# KiCad board JL-rev1.kicad_pcb (continued)
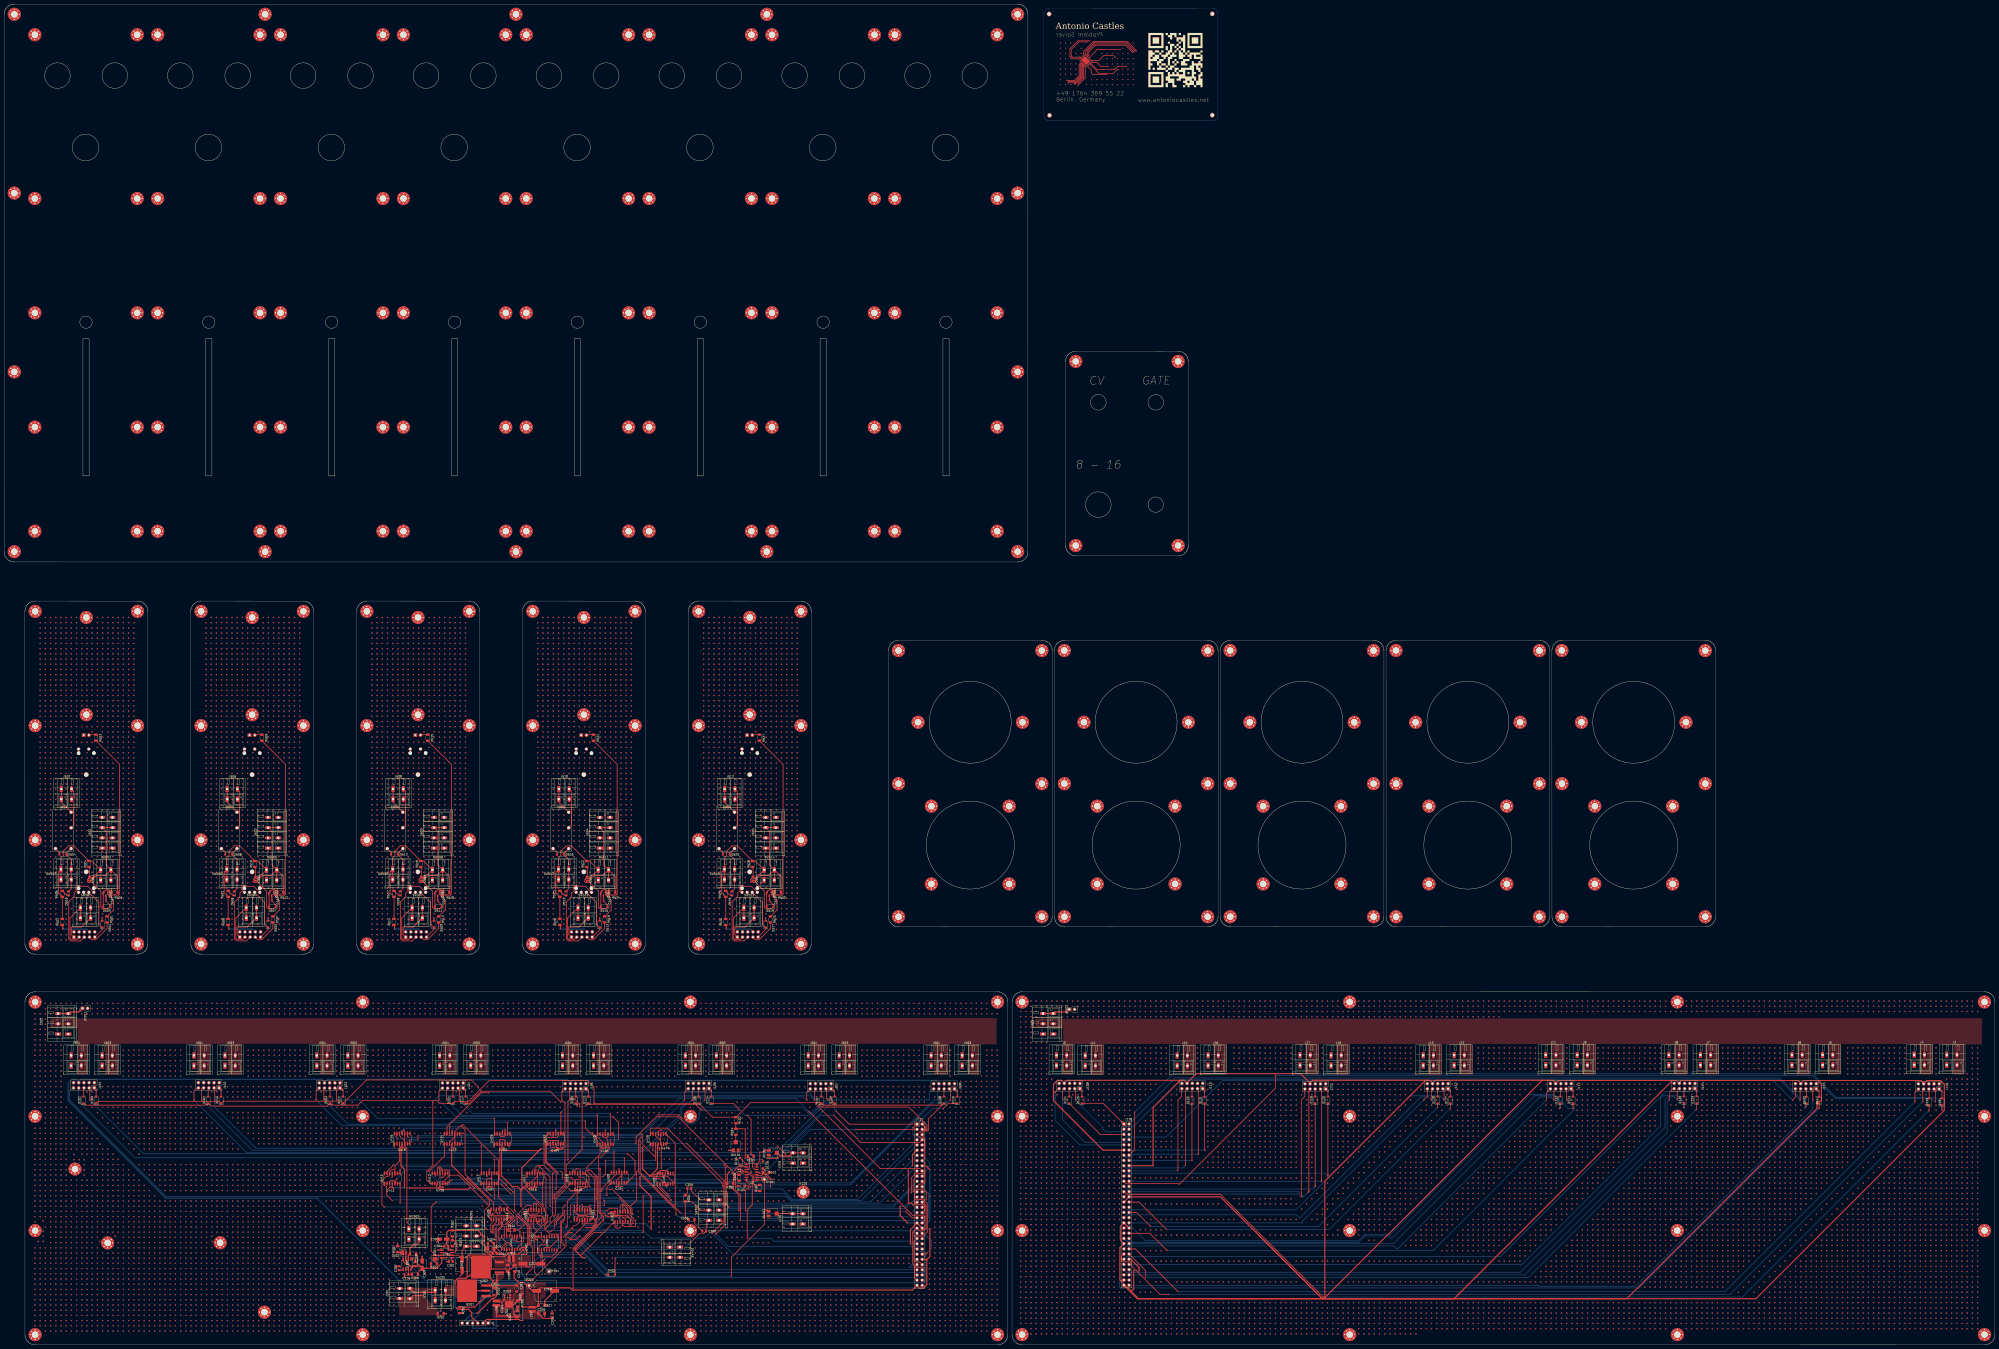
[diagram p0: board, top side]
## Nets (continued)
GND: C1.1 C201.2 C202.2 C204.2 C205.2 C206.2 C207.2 C208.2 C209.2 C210.2 C211.2 C301.1 C302.2 C303.2 C304.1 C307.1 C308.2 C309.1 C310.2 C401.1 C402.1 C403.1 C404.1 C405.2 C406.1 C407.1 C408.2 C409.1 C410.1 C411.2 C412.1 C413.1 C414.2 C415.1 C416.1 C417.2 C418.1 C419.1 D203.2 J1.1 J101.2 J101.4 J101.6 J101.10 J102.2 J102.4 J102.6 J102.10 J103.2 J103.4 J103.6 J103.10 J104.2 J104.4 J104.6 J104.10 J105.2 J105.4 J105.6 J105.10 J106.2 J106.4 J106.6 J106.10 J107.2 J107.4 J107.6 J107.10 J108.2 J108.4 J108.6 J108.10 J117.6 J117.10 J117.15 J117.19 J117.22 J117.26 J117.34 J117.35 J117.38 J117.43 J117.46 J117.55 J117.58 J117.59 J117.62 J119.1 J120.1 JP201.2 R101.1 R106.1 R107.1 R201.1 R202.2 R204.1 R205.1 R301.1 R307.1 RV101.3 SW302.1 U2.4 U201.11 U201.12 U201.DAP U202.2 U301.1 U302.1 U401.7 U402.7 U403.7 U404.8 U404.13 U405.7 U406.8 U406.13 U407.7 U408.11 U409.11 U410.11 U411.11 U412.11 U413.11 U414.11 U415.11 U416.11 U417.11 U418.11 U419.11
*CV_8: J117.9 U414.1 U414.2
*CV_9: J117.20 U414.13 U414.14
*CV_10: J117.29 U415.8 U415.9
*CV_11: J117.40 U416.6 U416.7
*CV_12: J117.49 U417.1 U417.2
*CV_13: J117.60 U417.13 U417.14
*CV_14: J117.7 U418.8 U418.9
*CV_15: J117.50 U419.6 U419.7
*GATE_8: J117.4 U414.6 U414.7
*GATE_9: J117.13 U415.1 U415.2
*GATE_10: J117.24 U415.13 U415.14
*GATE_11: J117.33 U416.8 U416.9
*GATE_12: J117.44 U417.6 U417.7
*GATE_13: J117.53 U418.1 U418.2
*GATE_14: J117.64 U418.13 U418.14
*GATE_15: J117.23 U419.8 U419.9
*RELAYS_8: J117.8 U414.8 U414.9
*RELAYS_9: J117.17 U415.6 U415.7
*RELAYS_10: J117.28 U416.1 U416.2
*RELAYS_11: J117.37 U416.13 U416.14
*RELAYS_12: J117.48 U417.8 U417.9
*RELAYS_13: J117.57 U418.6 U418.7
*RELAYS_14: J117.3 U419.1 U419.2
*RELAYS_15: J117.51 U419.13 U419.14
/CascadeCounters-CommonOutputs/EIGHT: U403.2 U404.9
/CascadeCounters-CommonOutputs/FIVE: U403.5 U404.1 U407.13
/CascadeCounters-CommonOutputs/FOUR: U402.2 U404.10 U407.10
/CascadeCounters-CommonOutputs/NINE: U404.11 U405.5
/CascadeCounters-CommonOutputs/ONE: U402.5 U404.2 U405.13
/CascadeCounters-CommonOutputs/RESET_COUNTERS: D401.1 R401.1 U404.15 U406.15
/CascadeCounters-CommonOutputs/SEVEN: U403.13 U404.6
/CascadeCounters-CommonOutputs/SIX: U403.10 U404.5 U405.2
/CascadeCounters-CommonOutputs/TENS: U405.1 U405.9 U405.12 U406.2 U407.1 U407.4 U407.9 U407.12
/CascadeCounters-CommonOutputs/THREE: U402.13 U404.7 U407.5
/CascadeCounters-CommonOutputs/TWO: U402.10 U404.4 U407.2
/CascadeCounters-CommonOutputs/ZERO: U401.2 U404.3 U405.10 U406.14
/CascadeCounters-CommonOutputs/ZEROES: U401.1 U402.1 U402.4 U402.9 U402.12 U403.1 U403.4 U403.9 U403.12 U405.4 U406.3
/CV_OP-AMP_NON-INV: R102.2 R104.2 U2.5
/CV_OP-AMP_OUT: RV102.3 U2.6 U2.7
/module-master/A_to_ALQ305_0: C503.2 C506.2 C509.2 C512.2 C515.2 D504.1 D508.1 D512.1 D516.1 D520.1 K501.1 K502.1 K503.1 K504.1 K505.1 SW503.2 SW506.2 SW509.2 SW512.2 SW515.2
/module-master/E_to_R_0: D503.2 D507.2 D511.2 D515.2 D519.2 Q501.2 Q502.2 Q503.2 Q504.2 Q505.2 R503.2 R509.2 R515.2 R521.2 R527.2
/module-master/R_to_B_0: Q501.1 Q502.1 Q503.1 Q504.1 Q505.1 R501.2 R507.2 R513.2 R519.2 R525.2
/module-master/R_to_C_0: C501.1 C501.2 C504.1 C504.2 C507.1 C507.2 C510.1 C510.2 C513.1 C513.2 D503.1 D507.1 D511.1 D515.1 D519.1 Q501.3 Q502.3 Q503.3 Q504.3 Q505.3 R502.2 R504.2 R505.1 R508.2 R510.2 R511.1 R514.2 R516.2 R517.1 R520.2 R522.2 R523.1 R526.2 R528.2 R529.1 SW502.1 SW503.1 SW505.1 SW506.1 SW508.1 SW509.1 SW511.1 SW512.1 SW514.1 SW515.1
/module-master/R_to_KLED_0: D502.2 D506.2 D510.2 D514.2 D518.2 R503.1 R509.1 R515.1 R521.1 R527.1
/module-master/SHUNT_1_0: C502.1 C505.1 C508.1 C511.1 C514.1 R504.1 R510.1 R516.1 R522.1 R528.1
/module-master/SHUNT_2_0: C503.1 C506.1 C509.1 C512.1 C515.1 R505.2 R511.2 R517.2 R523.2 R529.2
/module-master/SW_to_AQ-A_IN_0: C502.2 C505.2 C508.2 C511.2 C514.2 R506.2 R512.2 R518.2 R524.2 R530.2 SW502.2 SW505.2 SW508.2 SW511.2 SW514.2 U501.3 U502.3 U503.3 U504.3 U505.3
/Power Supply/LDO_LED_K: D204.1 R204.2
/Power Supply/POL-FET-D: Q201.2 SW201.2
/Power Supply/POL-FET-G: D202.2 Q201.1 R202.1
/Power Supply/PowerIn+: D201.1 J201.2 SW201.1
/Power Supply/PowerIn-: D201.2 J201.1 R201.2
/Power Supply/SW-REG_CB: C203.1 U201.1
/Power Supply/SW-REG_LED_K: D205.1 R205.2
/Power Supply/SW-REG_ON: R203.1 U201.9
/Power Supply/SW_REG_L: C203.2 D203.1 L201.1 U201.15 U201.16
/Power Supply/Unfiltered-6V: C204.1 C209.1 D204.2 J1.5 L203.1 U202.3
/Timers/555-R-POT: R303.1 RV301.2
/Timers/555_2-6: C302.1 RV301.1 U301.2 U301.6
/Timers/555_5: C301.2 U301.5
/Timers/555_DIS: R302.1 R303.2 U301.7
/Timers/555_LED-K: D301.1 R301.2
/Timers/555M_5: C307.2 U302.5
/Timers/555M_DIS: C310.1 R308.1 U302.6 U302.7
/Timers/555M_LED-K: D302.1 R307.2
/Timers/ASTABLE_CLOCK_SWITCH: C305.2 D301.2 SW301.3 U301.3
/Timers/MONOSTABLE_CLOCK_SWITCH: C306.2 D302.2 SW301.1 U302.3
_5VA_0: J501.8 J505.8 J507.8 J509.8 J511.8 R502.1 R508.1 R514.1 R520.1 R526.1
_CV_0: D501.1 D505.1 D509.1 D513.1 D517.1 J501.9 J505.9 J507.9 J509.9 J511.9 RV501.1 RV502.1 RV503.1 RV504.1 RV505.1
_CV_OUTPUT_0: J501.5 J505.5 J507.5 J509.5 J511.5 RV501.2 RV502.2 RV503.2 RV504.2 RV505.2
_GATE_0: J501.3 J505.3 J507.3 J509.3 J511.3 SW501.1 SW504.1 SW507.1 SW510.1 SW513.1
_GATE_OUTPUT_0: J501.1 J505.1 J507.1 J509.1 J511.1 SW501.2 SW504.2 SW507.2 SW510.2 SW513.2
_GND_0: D501.2 D502.1 D504.2 D505.2 D506.1 D508.2 D509.2 D510.1 D512.2 D513.2 D514.1 D516.2 D517.2 D518.1 D520.2 J501.2 J501.4 J501.6 J501.10 J505.2 J505.4 J505.6 J505.10 J507.2 J507.4 J507.6 J507.10 J509.2 J509.4 J509.6 J509.10 J511.2 J511.4 J511.6 J511.10 K501.2 K502.2 K503.2 K504.2 K505.2 R506.1 R512.1 R518.1 R524.1 R530.1 RV501.3 RV502.3 RV503.3 RV504.3 RV505.3 U501.4 U502.4 U503.4 U504.4 U505.4
_RELAYS_0: J501.7 J505.7 J507.7 J509.7 J511.7 R501.1 R507.1 R513.1 R519.1 R525.1
CHAN_0: U401.3 U408.3 U408.5 U408.10
CHAN_1: U402.6 U408.12 U409.3 U409.5
CHAN_2: U402.8 U409.10 U409.12 U410.3
CHAN_3: U402.11 U410.5 U410.10 U410.12
CHAN_4: U402.3 U411.3 U411.5 U411.10
CHAN_5: U403.6 U411.12 U412.3 U412.5
CHAN_6: U403.8 U412.10 U412.12 U413.3
CHAN_7: U403.11 U413.5 U413.10 U413.12
CHAN_8: SW401.1 U403.3 U414.3 U414.5 U414.10
CHAN_9: U405.6 U414.12 U415.3 U415.5
CHAN_10: U405.8 U415.10 U415.12 U416.3
CHAN_11: U405.11 U416.5 U416.10 U416.12
CHAN_12: U407.3 U417.3 U417.5 U417.10
CHAN_13: U407.6 U417.12 U418.3 U418.5
CHAN_14: U407.8 U418.10 U418.12 U419.3
CHAN_15: U407.11 U419.5 U419.10 U419.12
CLK: D126.1 TP401.1 U2.1 U2.2 U404.14
CLOCK: D125.2 R304.2 R305.2 SW301.2
CV_0: J101.9 U408.1 U408.2
CV_1: J102.9 U408.13 U408.14
CV_2: J103.9 U409.8 U409.9
CV_3: J104.9 U410.6 U410.7
CV_4: J105.9 U411.1 U411.2
CV_5: J106.9 U411.13 U411.14
CV_6: J107.9 U412.8 U412.9
CV_7: J108.9 U413.6 U413.7
CV_8: J109.9 J118.9
CV_9: J110.9 J118.20
CV_10: J111.9 J118.29
CV_11: J112.9 J118.40
CV_12: J113.9 J118.49
CV_13: J114.9 J118.60
CV_14: J115.9 J118.7
CV_15: J116.9 J118.50
CV_CommonChannelOutput: D101.1 D102.1 D103.1 D104.1 D105.1 D106.1 D107.1 D108.1 J117.2 J117.5 J117.16 J117.25 J117.27 J117.36 J117.45 J117.56 R102.1
CV_OUT: J119.2 RV102.2
CV_OUTPUT_0: D101.2 J101.5
CV_OUTPUT_1: D102.2 J102.5
CV_OUTPUT_2: D103.2 J103.5
CV_OUTPUT_3: D104.2 J104.5
CV_OUTPUT_4: D105.2 J105.5
CV_OUTPUT_5: D106.2 J106.5
CV_OUTPUT_6: D107.2 J107.5
CV_OUTPUT_7: D108.2 J108.5
CV_OUTPUT_8: D124.2 J109.5
CV_OUTPUT_9: D133.2 J110.5
CV_OUTPUT_10: D118.2 J111.5
CV_OUTPUT_11: D128.2 J112.5
CV_OUTPUT_12: D122.2 J113.5
CV_OUTPUT_13: D130.2 J114.5
CV_OUTPUT_14: D132.2 J115.5
CV_OUTPUT_15: D119.2 J116.5
EARTH-2: J203.3 JP202.1
Earth_Protective: J202.3 JP201.1
GATE: J120.2 RV103.2
GATE_0: J101.3 U408.6 U408.7
GATE_1: J102.3 U409.1 U409.2
GATE_2: J103.3 U409.13 U409.14
GATE_3: J104.3 U410.8 U410.9
GATE_4: J105.3 U411.6 U411.7
GATE_5: J106.3 U412.1 U412.2
GATE_6: J107.3 U412.13 U412.14
GATE_7: J108.3 U413.8 U413.9
GATE_8: J109.3 J118.4
GATE_9: J110.3 J118.13
GATE_10: J111.3 J118.24
GATE_11: J112.3 J118.33
GATE_12: J113.3 J118.44
GATE_13: J114.3 J118.53
GATE_14: J115.3 J118.64
GATE_15: J116.3 J118.23
GATE_CommonChannelOutput: D109.1 D110.1 D111.1 D112.1 D113.1 D114.1 D115.1 D116.1 J117.1 J117.12 J117.14 J117.21 J117.32 J117.41 J117.52 J117.61 R103.1
GATE_OUTPUT_0: D109.2 J101.1
GATE_OUTPUT_1: D110.2 J102.1
GATE_OUTPUT_2: D111.2 J103.1
GATE_OUTPUT_3: D112.2 J104.1
GATE_OUTPUT_4: D113.2 J105.1
GATE_OUTPUT_5: D114.2 J106.1
GATE_OUTPUT_6: D115.2 J107.1
GATE_OUTPUT_7: D116.2 J108.1
GATE_OUTPUT_8: D123.2 J109.1
GATE_OUTPUT_9: D131.2 J110.1
GATE_OUTPUT_10: D120.2 J111.1
GATE_OUTPUT_11: D127.2 J112.1
GATE_OUTPUT_12: D121.2 J113.1
GATE_OUTPUT_13: D129.2 J114.1
GATE_OUTPUT_14: D117.2 J115.1
GATE_OUTPUT_15: D134.2 J116.1
LINE: J202.2 J503.2 J503#2.2 J503#3.2 J503#4.2 J503#5.2 J503#6.2 J503#7.2 J503#8.2 J504.2 J504#2.2 J504#3.2 J504#4.2 J504#5.2 J504#6.2 J504#7.2 J504#8.2
LINE2: J2.2 J3.2 J4.2 J5.2 J6.2 J7.2 J8.2 J9.2 J10.2 J11.2 J12.2 J13.2 J14.2 J15.2 J16.2 J17.2 J203.2
NEUT: J202.1 J503.1 J503#2.1 J503#3.1 J503#4.1 J503#5.1 J503#6.1 J503#7.1 J503#8.1 J504.1 J504#2.1 J504#3.1 J504#4.1 J504#5.1 J504#6.1 J504#7.1 J504#8.1
NEUT2: J2.1 J3.1 J4.1 J5.1 J6.1 J7.1 J8.1 J9.1 J10.1 J11.1 J12.1 J13.1 J14.1 J15.1 J16.1 J17.1 J203.1
RELAYS_0: J101.7 U408.8 U408.9
RELAYS_1: J102.7 U409.6 U409.7
RELAYS_2: J103.7 U410.1 U410.2
RELAYS_3: J104.7 U410.13 U410.14
RELAYS_4: J105.7 U411.8 U411.9
RELAYS_5: J106.7 U412.6 U412.7
RELAYS_6: J107.7 U413.1 U413.2
RELAYS_7: J108.7 U413.13 U413.14
RELAYS_8: J109.7 J118.8
RELAYS_9: J110.7 J118.17
RELAYS_10: J111.7 J118.28
RELAYS_11: J112.7 J118.37
RELAYS_12: J113.7 J118.48
RELAYS_13: J114.7 J118.57
RELAYS_14: J115.7 J118.3
RELAYS_15: J116.7 J118.51
SECONDARY_5VA: J109.8 J110.8 J111.8 J112.8 J113.8 J114.8 J115.8 J116.8 J118.11 J118.18 J118.30 J118.31 J118.39 J118.42 J118.47 J118.54 J118.63
SECONDARY_GND: J109.2 J109.4 J109.6 J109.10 J110.2 J110.4 J110.6 J110.10 J111.2 J111.4 J111.6 J111.10 J112.2 J112.4 J112.6 J112.10 J113.2 J113.4 J113.6 J113.10 J114.2 J114.4 J114.6 J114.10 J115.2 J115.4 J115.6 J115.10 J116.2 J116.4 J116.6 J116.10 J118.6 J118.10 J118.15 J118.19 J118.22 J118.26 J118.34 J118.35 J118.38 J118.43 J118.46 J118.55 J118.58 J118.59 J118.62 JP202.2
Net-(C305-Pad1): C305.1 R304.1
Net-(C306-Pad1): C306.1 R305.1
Net-(D117-K): D117.1 J118.61
Net-(D118-K): D118.1 J118.25
Net-(D119-K): D119.1 J118.27
Net-(D120-K): D120.1 J118.21
Net-(D121-K): D121.1 J118.41
Net-(D122-K): D122.1 J118.45
Net-(D123-K): D123.1 J118.1
Net-(D124-K): D124.1 J118.5
Net-(D125-K): D125.1 R101.2 U2.3
Net-(D126-A): D126.2 R103.2 U2.10
Net-(D127-K): D127.1 J118.32
Net-(D128-K): D128.1 J118.36
Net-(D129-K): D129.1 J118.52
Net-(D130-K): D130.1 J118.56
Net-(D131-K): D131.1 J118.12
Net-(D132-K): D132.1 J118.2
Net-(D133-K): D133.1 J118.16
Net-(D134-K): D134.1 J118.14
Net-(D135-A): D135.2 U2.8
Net-(D135-K): D135.1 R107.2 U2.12
Net-(D401-A): D401.2 SW401.2
Net-(J502-Pin_1): J502.1 J506.1 J508.1 J510.1 J512.1 K501.4 K502.4 K503.4 K504.4 K505.4
Net-(J502-Pin_2): J502.2 J506.2 J508.2 J510.2 J512.2 K501.3 K502.3 K503.3 K504.3 K505.3
Net-(R104-Pad1): R104.1 RV101.2
Net-(R401-Pad2): R401.2 U405.3
Net-(U2C--): R105.1 R106.2 U2.9
Net-(U2D--): RV103.3 U2.13 U2.14
Net-(U302-TR): R306.1 SW302.2 U302.2

Pads without a net: H102 1; H108 1; H108#2 1; H108#3 1; H108#4 1; H108#5 1; H108#6 1; H108#7 1; H108#8 1; H108#9 1; H108#10 1; H108#11 1; H108#12 1; H108#13 1; H108#14 1; H108#15 1; H108#16 1; H108#17 1; H108#18 1; H108#19 1; H108#20 1; H108#21 1; H108#22 1; H108#23 1; H108#24 1; H108#25 1; H108#26 1; H108#27 1; H108#28 1; H108#29 1; H108#30 1; H108#31 1; H108#32 1; H108#33 1; H108#34 1; H108#35 1; H108#36 1; H108#37 1; H108#38 1; H108#39 1; H108#40 1; H108#41 1; H108#42 1; H108#43 1; H108#44 1; H108#45 1; H108#46 1; H108#47 1; H108#48 1; H108#49 1; H108#50 1; H108#51 1; H108#52 1; H108#53 1; H108#54 1; H108#55 1; H108#56 1; H108#57 1; H108#58 1; H108#59 1; H108#60 1; H108#61 1; H108#62 1; H108#63 1; H108#64 1; H108#65 1; H108#66 1; H108#67 1; H108#68 1; H108#69 1; H109 1; H110 1; H111 1; H112 1; H113 1; H114 1; H115 1; H116 1; H117 1; H118 1; H119 1; H120 1; H121 1; H122 1; H123 1; H124 1; H125 1; H126 1; H127 1; H128 1; H129 1; H130 1; H131 1; H132 1; H133 1; H134 1; H135 1; H136 1; H137 1; H138 1; H139 1; H140 1; H141 1; H142 1; H143 1; H144 1; H145 1; H146 1; H147 1; H148 1; H149 1; H150 1; H151 1; H152 1; H153 1; H154 1; H155 1; H156 1; H157 1; H158 1; H159 1; H160 1; H161 1; H162 1; H163 1; H164 1; H165 1; H166 1; H167 1; H168 1; H169 1; H170 1; H171 1; H172 1; H173 1; H174 1; H175 1; H176 1; H177 1; H178 1; H179 1; H180 1; H181 1; H182 1; H183 1; H184 1; H185 1; H186 1; H187 1; H188 1; H188#2 1; H189 1; H190 1; H191 1; H191#2 1; H192 1; H193 1; H194 1; H195 1; H196 1; H197 1; H198 1; H199 1; H200 1; H201 1; H202 1; H203 1; H204 1; H205 1; H206 1; H207 1; H208 1; H209 1; H210 1; H211 1; H212 1; H213 1; H214 1; H215 1; H216 1; H218 1; H219 1; H220 1; H221 1; H222 1; H223 1; H224 1; H225 1; H226 1; H227 1; H228 1; H229 1; H230 1; H231 1; H233 1; H234 1; H235 1; H236 1; H237 1; H238 1; H239 1; H240 1; H241 1; H242 1; H243 1; H244 1; H245 1; H246 1; H247 1; H248 1; H249 1; H250 1; H251 1; H252 1; H253 1; H254 1; H255 1; H256 1; H257 1; H258 1; H259 1; H260 1; H261 1; H262 1; H263 1; H264 1; H265 1; H266 1; H267 1; H268 1; H269 1; H270 1; H271 1; H272 1; H273 1; H274 1; H275 1; H276 1; H277 1; H278 1; H279 1; H280 1; H405 1; H407 1; H408 1; REF** 1 2 3 4 5 6 7 8 9 10 11 12 13 14 15 16 17 18 19 20 21 22 23 24 25 26 27 28 29; RV101 1; RV102 1; RV103 1; RV301 3; RV501 L; RV502 L; RV503 L; RV504 L; RV505 L; U201 2 3 4 5 6 7 10 13; U401 6 8 11; U404 12; U406 1 4 5 6 7 9 10 11 12; U501 1 2; U502 1 2; U503 1 2; U504 1 2; U505 1 2

## Via types
v1: diameter 0.55, hole 0.25, Top to Bottom, 168 vias
v2: diameter 0.7, hole 0.3, Top to Bottom, 6556 vias
v3: diameter 0.8, hole 0.4, Top to Bottom, 40 vias
v4: diameter 0.7, hole 0.25, Top to Bottom, 12109 vias

## Routing (per net, layer and track width the routed paths; a pad name or vN(x,y) marks a point on that pad's centre or on a via; arc(x,y) is an arc through that point)
+5VA: length 1090.3
  Top w0.5: v2(443.62,87.65) 443.62,92.9 J117.11 ; v2(442.62,49.15) 442.62,56.34 J117.39 J117.42 ; v2(441.12,59.65) 437.62,63.15 v2(437.62,67.65) ; 450.62,41.65 450.62,29.42 448.94,27.74 447.18,27.74 J117.63 443.56,26.8 277.47,26.8 276.42,27.85 261.59,27.85 C208.1 ; 450.62,41.65 452.12,43.15 v2(452.12,56.65) ; 450.62,41.65 450.49,41.78 J117.54 ; J117.18 448.38,87.39 448.62,87.15 ; C208.1 260.87,25.68 C207.1 259.92,18.45 L202.2 253.33,18.45 v2(253.26,18.53) ; C208.1 257.94,26.4 253.79,30.55 v1(252.27,30.55) ; v2(452.12,85.65) v2(450.57,87.2) ; J117.31 445.91,69.65 446.62,69.65 ; v2(444.12,68.15) 443.12,69.15 v2(441.62,69.15) v2(441.62,85.15) ; J1.2 235.73,12.46 251.52,12.46 252.06,11.93 253.16,11.93 v2(253.26,12.03)
  Bottom w0.5: v2(441.12,59.65) 441.21,59.56 J117.39 ; v2(442.62,49.15) 442.87,49.4 J117.47 ; J117.18 450.27,87.5 v2(450.57,87.2) ; v2(253.26,18.53) v2(253.26,12.03) ; v2(443.62,87.65) 441.62,85.65 v2(441.62,85.15) ; J117.30 J117.31 444.27,68.15 v2(444.12,68.15) ; v1(252.27,30.55) 193.99,30.55 152.81,71.73 78.95,71.73 31.3,119.38 31.3,127.91 33.14,129.75 34.9,129.75 36.25,128.4 37.59,129.75 95.81,129.75 97.16,128.4 98.5,129.75 155.31,129.75 156.66,128.4 158,129.75 215.06,129.75 216.66,128.15 218,129.5 275.05,129.5 276.61,127.94 277.95,129.29 335.27,129.29 336.66,127.9 338,129.25 395.2,129.25 396.55,127.9 397.89,129.25 455.06,129.25 456.41,127.9 ; v2(437.62,67.65) 440.12,67.65 v2(441.62,69.15) ; v2(452.12,85.65) 452.14,85.63 v2(452.14,72.65) 452.14,60.79 J117.42 448.75,56.65 v2(452.12,56.65)
+6V: length 841.1
  Top w0.3: 189.35,77.18 189.62,77.45 189.62,78.93 ; 243.37,98.18 243.12,97.93 243.12,96.38 ; 269.87,96.4 269.87,97.68 269.37,98.18
  Top w0.349: 324.14,83.63 325.41,83.63 ; 320.33,83.63 321.6,83.63 ; 299.95,77.38 299.95,78.76 300.37,79.18 ; v1(294.76,96.43) 294.53,96.2 C406.2 ; 360.86,84.87 362.16,84.87 362.66,84.37 ; 319.06,83.63 318.33,83.63 317.81,83.11 ; 212.87,78.93 212.87,77.38 212.62,77.13 ; U302.8 200.19,38.5 C309.2 203.09,38.5 C308.1 202.12,35.33 R308.2 ; 319.06,96.38 319.06,97.87 319.37,98.18 ; 280.03,77.18 280.12,77.27 280.12,78.93 ; 322.87,78.68 324.14,78.68 ; 236.62,77.15 236.87,77.4 236.87,78.93 ; C401.2 253.31,47.63
  Top w0.5: v2(197.99,76.8) 198.17,76.63 212.12,76.63 212.51,77.03 C410.2 212.66,76.72 213.29,76.08 226.82,76.08 v2(227.24,76.5) ; 280.03,77.18 280.03,76.11 279.22,75.3 276.72,75.3 v2(276.04,75.98) ; v2(315.39,82.38) 319.06,86.05 319.06,96.38 ; v2(315.39,82.38) 311.84,85.93 v2(311.84,96.53) ; v2(315.39,82.38) 316.12,83.11 317.81,83.11 ; v2(266.77,94.8) 269.27,94.8 v3(270.69,96.23) ; v2(260.07,77.03) 259.97,77.13 258.68,77.13 258.68,76.82 ; v2(310.42,82.2) 310.57,82.05 v2(310.57,77.8) 315.99,72.38 v2(315.99,56.53) ; U417.4 259.16,77.49 C416.2 258.72,76.74 258.2,76.23 256.34,76.23 255.32,77.25 254,77.25 252.86,76.11 ; v2(216.12,42.65) 216,42.54 U301.4 213.72,40.01 211.11,37.4 C308.1 201.92,39.68 201.92,43.74 R306.2 ; 256.06,65.88 255.32,65.14 254.81,65.14 254.77,65.18 253.72,65.18 ; 252.39,75.65 250.71,77.33 v2(248.19,77.33) 242.92,82.6 v3(242.92,95.78) ; 252.39,75.65 252.86,76.11 ; 252.39,75.65 v2(252.39,67.71) ; v2(235.72,77.1) 236.57,77.1 236.62,77.15 ; 252.89,60.83 253.05,60.83 255.82,58.07 v1(255.82,53.33) 255.82,48.7 254.75,47.63 C401.2 ; 252.89,60.83 251.15,62.57 v3(250.99,62.57) ; 252.89,60.83 v3(252.89,60.92) ; U404.16 252.87,47.63 C401.2 ; C210.1 247.47,37.06 238.08,37.06 238.01,37.13 238.01,43.36 237.47,43.91 226.87,43.91 226.11,43.15 226.11,33.08 225.62,32.58 221.57,32.58 220.26,31.27 v2(220.26,29.71) ; 226.46,55.94 R302.2 217.15,55.94 216.19,54.98 C303.1 216.19,48.94 C304.2 216.94,46.5 216.82,46.38 216.85,46.35 U301.8 ; 226.46,55.94 226.54,56.03 231.3,56.03 232.69,54.63 232.69,53.71 233.61,53.71 234.43,52.9 234.43,50.97 v2(233.26,49.8) 235.04,48.02 235.04,46.04 236.28,44.8 236.76,44.8 238.51,43.05 244.47,43.05 246.22,44.8 247.41,44.8 248.74,43.47 L203.2 ; 226.46,55.94 227.12,55.94 ; v3(354.06,84.33) 353.17,83.45 R105.2 ; 299.95,77.38 299.9,77.43 v2(298.84,77.43) ; 245.43,61.43 245.84,61.43 246.66,62.24 247.22,62.24 v1(247.58,62.6) 247.28,62.3 247.28,62.27 ; v2(195.52,76.8) 195.52,85.75 193.85,87.42 193.85,96.74 194.37,97.26 194.37,98.18 ; v2(295.16,64.11) 295.57,64.11 296.45,64.99 C417.1 298.26,64.99 U407.14 ; J1.3 228.36,13.63 228.36,15.83 226.81,17.37 221.51,17.37 v2(220.92,17.96) ; v3(358.26,85.83) 359.82,85.83 360.86,84.79 ; v3(270.69,96.23) 270.52,96.4 269.87,96.4 ; v3(270.69,96.23) 271.37,95.55 272.22,95.55 272.91,96.25 v2(272.91,96.45) ; 324.14,83.63 324.14,84.6 v3(323.59,85.15) 320.58,85.15 319.06,83.63 321.6,83.63 ; U302.4 194.88,40.98 196.46,39.4 197.37,39.4 198.27,38.5 C309.2 ; v1(256.32,38.15) 254.94,38.15 C211.1 ; 243.12,96.38 243.12,95.97 v3(242.92,95.78) ; 322.87,78.68 323.24,78.3 323.24,77.68 323.27,77.68 v2(323.52,77.43) 324.14,78.05 324.14,78.68 ; 218.87,98.18 218.6,97.91 218.6,87.67 229.76,76.5 v2(229.84,76.5) ; v2(284.22,57.28) 287.04,57.28 288.64,58.88 v2(288.64,60.98) 287.92,61.7 287.43,61.7 286.91,61.18 286.18,61.18 ; 293.62,98.18 293.8,97.99 293.8,96.18 ; v1(259.58,53.53) 259.58,52.42 C402.2 260.14,52.9 U406.16 ; 252.86,76.11 252.86,86.5 v2(262.14,95.78) 261.24,94.88 243.8,94.88 242.92,95.75 v3(242.92,95.78) ; v2(292.64,62.93) 292.64,60.92 278.77,47.05 278.77,46.3 282.49,42.58 v2(283.75,42.58) ; C401.2 253.93,47.63 255.26,46.3 255.26,44.43 255.06,44.23 252.39,44.23 ; v2(190.19,76.48) 190.02,76.48 189.35,77.15
  Bottom w0.5: v2(272.91,96.45) 273.39,96.93 294.27,96.93 v1(294.76,96.43) 294.89,96.3 311.61,96.3 v2(311.84,96.53) ; v2(276.04,75.98) 274.99,77.03 v2(260.07,77.03) ; v1(255.82,53.33) 259.38,53.33 v1(259.58,53.53) ; v2(310.42,82.2) 310.59,82.38 v2(315.39,82.38) ; v2(190.19,76.48) 190.52,76.8 v2(195.52,76.8) v2(197.99,76.8) ; v2(283.75,42.58) 283.62,42.7 260.87,42.7 v1(256.32,38.15) 263.87,38.15 TP204.1 ; 252.89,60.9 252.29,60.9 251.37,59.98 249.34,59.98 247.58,61.74 v1(247.58,62.6) ; v2(220.26,29.71) 220.26,18.62 v2(220.92,17.96) ; v2(288.64,60.98) 288.64,61.27 290.3,62.93 v2(292.64,62.93) 293.97,62.93 v2(295.16,64.11) ; v2(248.19,77.33) 248.57,76.95 248.57,76.3 236.54,76.3 235.74,77.1 v2(235.72,77.1) 235.12,76.5 v2(229.84,76.5) v2(227.24,76.5) ; v2(315.99,56.53) 313.29,59.23 293.76,59.23 293.26,59.73 290.81,57.28 v2(284.22,57.28) ; v3(250.99,62.57) 251,62.55 251.97,62.55 252.84,63.43 252.84,64.33 253.69,65.18 253.72,65.18 ; 357.71,86.38 357.46,86.63 325.06,86.63 v3(323.59,85.15) ; 357.71,86.38 356.11,86.38 v3(354.06,84.33) ; 357.71,86.38 v3(358.26,85.83) ; v2(252.39,67.71) 253.74,66.36 v1(253.74,65.15) ; v2(323.52,77.43) 323.14,77.8 v2(310.57,77.8) 310.19,78.18 299.59,78.18 v2(298.84,77.43) ; v2(233.26,49.8) 232.76,49.8 231.68,50.88 228.08,50.88 227.55,50.36 227.55,49.61 228.08,49.08 228.08,45.11 225.62,42.65 v2(216.12,42.65) ; v2(262.14,95.78) 265.79,95.78 v2(266.77,94.8)
+12V: length 55
  Top w0.3: 245.76,23.23 245.77,23.22 U201.14
  Top w0.5: R203.2 240.72,29.08 D202.1 ; U202.1 240.64,34.04 C202.1 238.51,29.02 Q201.3 238.23,29.02 D202.1 ; D202.1 240.54,26.71 240.54,23.98 239.14,22.59 238.32,22.59 231.16,15.43 v2(231.06,15.43)
  Bottom w0.5: v2(231.06,15.43) 228.54,15.43 J1.6
/Power Supply/5VA Unfiltered: length 50.7
  Top w0.3: U201.8 248.86,16.96 248.86,16.73
  Top w0.5: 248.86,16.73 248.86,14.93 249.36,14.93 D205.2 246.12,13.67 245.66,14.13 240.46,14.13 v2(240.44,14.14) L201.2 238.35,19.34 ; C206.1 263.31,12.96 267.12,12.96 C205.1
  Bottom w0.5: v2(240.44,14.14) 240.3,14 240.3,8.17 228.91,8.17 228.76,8.33 228.82,8.39 J1.4
GND: length 276.5
  Top w0.3: 246.79,21.95 246.79,19.97 U201.DAP 247.25,20.43 247.25,21.95 ; 261.83,43.6 262.14,43.28 C211.2 ; 259.12,83.88 259.12,83.22 ; 189.62,82.45 189.62,83.88 ; 237.51,64.83 237.36,64.83 v2(236.56,65.63) ; v2(246.96,22.93) 247.27,22.62 U201.11 U201.12 ; 305.23,62.1 305.1,62.23 v2(303.86,62.23) ; 253.43,24.96 252.07,23.6 252.07,22.32 v2(252.86,21.53) ; 244.23,96.23 244.08,96.38 244.08,95.69 v1(244.12,95.65) ; C402.1 260.26,51.42 v2(260.46,51.23) ; 300.52,63 300.29,63.23 297.98,63.23 ; 293.62,102.15 293.62,103.13 ; C401.1 253.62,46.36 v2(254.06,45.92) ; 280.99,77.18 281.13,77.32 283.35,77.32 283.97,76.7 284.62,76.7 285.04,77.13 285.04,79.63 283.02,81.65 281.16,81.65 280.12,82.7 280.12,83.88 ; 212.87,83.88 212.87,82.97
  Top w0.349: v1(367.36,75.13) 367.45,75.22 R107.1 ; U404.8 243,52.35 245.2,50.15 245.95,50.15 248.08,48.03 U404.13 ; v3(369.14,83.92) 368.7,84.37 367.61,84.37 ; 326.68,78.68 326.68,79.65 324.18,82.15 317.81,82.15 ; 236.88,83.85 236.88,85.51 v2(237.17,85.8) ; 200.69,41.7 200.68,41.7 v2(200.66,41.73) ; 300.91,77.38 301.89,77.38 v1(301.92,77.4) ; 188.39,77.15 188.39,76.92 v1(187.87,76.4) ; v1(300.32,85.98) 300.37,85.93 300.37,84.13 ; R101.1 v1(374.86,84.23) ; 320.02,96.38 320.02,95.45 v3(320.11,95.35) ; U406.8 270.06,45.6 267.84,43.38 262.05,43.38 260.45,44.98 260.45,47.29 262.31,49.15 264.98,49.15 U406.13 264.98,52.57 ; v3(268.01,96.42) 268.03,96.4 268.91,96.4 ; 189.62,82.45 189.62,82.15 v1(189.37,81.9) ; v3(293.64,104.85) 293.62,104.83 293.62,103.13 ; v3(320.94,104.85) 320.12,104.85 319.37,104.1 319.37,103.13 ; v3(357.99,84.45) 358.89,83.56 R106.1 ; v3(359.59,84.58) 360.26,83.91 360.86,83.91 ; 256.79,77 v2(256.92,77.13)
  Top w0.5: U202.2 232.38,37.9 v2(227.22,43.06) ; v1(265.24,19.4) C207.2 263.99,21.55 C208.2 ; R301.1 v2(208.36,38.33) ; R201.1 215.99,15.25 v1(216.02,15.23) ; v2(281.56,76.71) 281.12,77.15 C418.1 ; 257.72,77.13 v2(256.92,77.13) ; C302.2 223.69,34.56 v2(222.86,33.73) ; v2(278.17,68.15) 278.56,67.76 278.56,65.15 280.41,63.3 284.02,63.3 284.66,62.66 287.43,62.66 ; 204.14,43.28 204.16,43.26 v2(204.16,43.23) 204.19,43.23 204.19,43.23 C308.2 ; C303.2 212.59,51.25 211.46,50.13 ; v3(195.32,104.88) 194.37,103.93 194.37,103.13 194.37,104.2 ; C307.1 191.54,38.4 191.52,38.43 v2(191.46,38.43) 191.46,38.49 191.44,38.5 ; v2(292.06,96.07) 292.16,96.18 292.84,96.18 ; v1(212.56,86.21) 212.87,85.9 212.87,83.88 ; C211.2 262.14,39.95 v1(264.12,41.93) ; v1(246.54,34.43) 245.94,35.03 C209.2 ; R307.1 v2(192.16,49.63) 192.19,49.63 192.22,49.65 ; C310.2 195.54,33.08 195.56,33.06 v2(195.56,33.03) 195.59,33.03 195.62,33 ; 199.92,42.55 199.96,42.59 v2(199.96,42.53) 199.89,42.53 199.32,41.95 U302.1 ; v3(269.32,105.03) 269.37,104.98 269.37,103.13 ; C407.1 238.45,77.15 v2(238.46,77.15) ; 211.47,50.13 211.46,50.12 v2(211.46,50.13) 211.46,50.13 ; U404.13 248.08,45.19 248.97,44.3 251.26,44.3 253.62,46.67 C401.1 ; C304.1 213.35,48.19 v1(213.29,48.13) ; C201.2 252.62,24.15 ; 252.62,24.15 252.62,23.37 R205.1 249,19.75 U201.DAP ; 252.62,24.15 253.43,24.96 253.43,28.3 249.04,32.68 v1(249.04,34.4) 249.44,34.8 C210.2 ; 194.81,96.43 195.09,96.43 195.62,95.9 ; R204.1 238.9,49.48 v2(237.56,50.83) ; v3(243.42,104.73) 243.37,104.68 243.37,103.13 ; C309.1 200.69,41.7 ; v1(224.09,15.53) 224.07,15.5 R202.2 ; 218.87,103.13 v3(218.87,104.83) ; v3(220.42,95.78) 219.82,96.38 219.56,96.38 ; C301.1 216.29,40.69 v2(216.26,40.73) 216.22,40.69 216.2,40.69 216.19,40.68 ; v2(237.36,45.53) 238.23,44.65 C204.2 ; 246.66,63.2 246.51,63.05 238.01,63.05 237.51,63.56 237.51,66.08 237.81,66.38 ; 213.58,77.13 214.29,77.13 v1(214.57,76.85) ; RV101.3 354.03,95.02 v3(354.02,95) ; C202.2 235.24,34.65 U202.2 ; 263.68,60.93 263.68,61.9 262.58,63 257.3,63 256.12,64.18 254.51,64.18 v2(253.96,63.63) 253.72,63.87 C411.2 ; U202.2 228.66,35.13 v2(226.96,33.43) ; C206.2 v1(263.99,13.85) ; 305.93,60.43 305.93,61.4 304.26,63.07 301.2,63.07 301.13,63 300.52,63 300.19,63.33 297.98,63.33 297.28,64.03 C417.2 ; v1(259.77,85.48) 259.12,84.83 259.12,83.88 ; 211.97,46.35 211.97,46.35 212.04,46.35 v2(212.06,46.33) 212.08,46.35 U301.1 ; C205.2 v1(267.62,16.65) ; 317.81,82.15 317.63,82.33 316.54,82.33 v1(316.47,82.25)
  Bottom w0.5: v2(239.16,9.63) 238.16,10.63 J1.1